# Altium PCB UltraZohm_Analog_Adapter_MAX11331.PcbDoc (part 2 of 2)
Units mm, origin at the board's own origin, x right, y up, seen from the top; angles counter-clockwise.
Board outline 100 x 100 mm, 4 copper layers (Top Layer, GND, VCC, Bottom Layer), stack 1.587 mm thick; 116 components, 143 nets, 539 pads, 190 vias.
Unrouted connection lines stored in the file: 122.
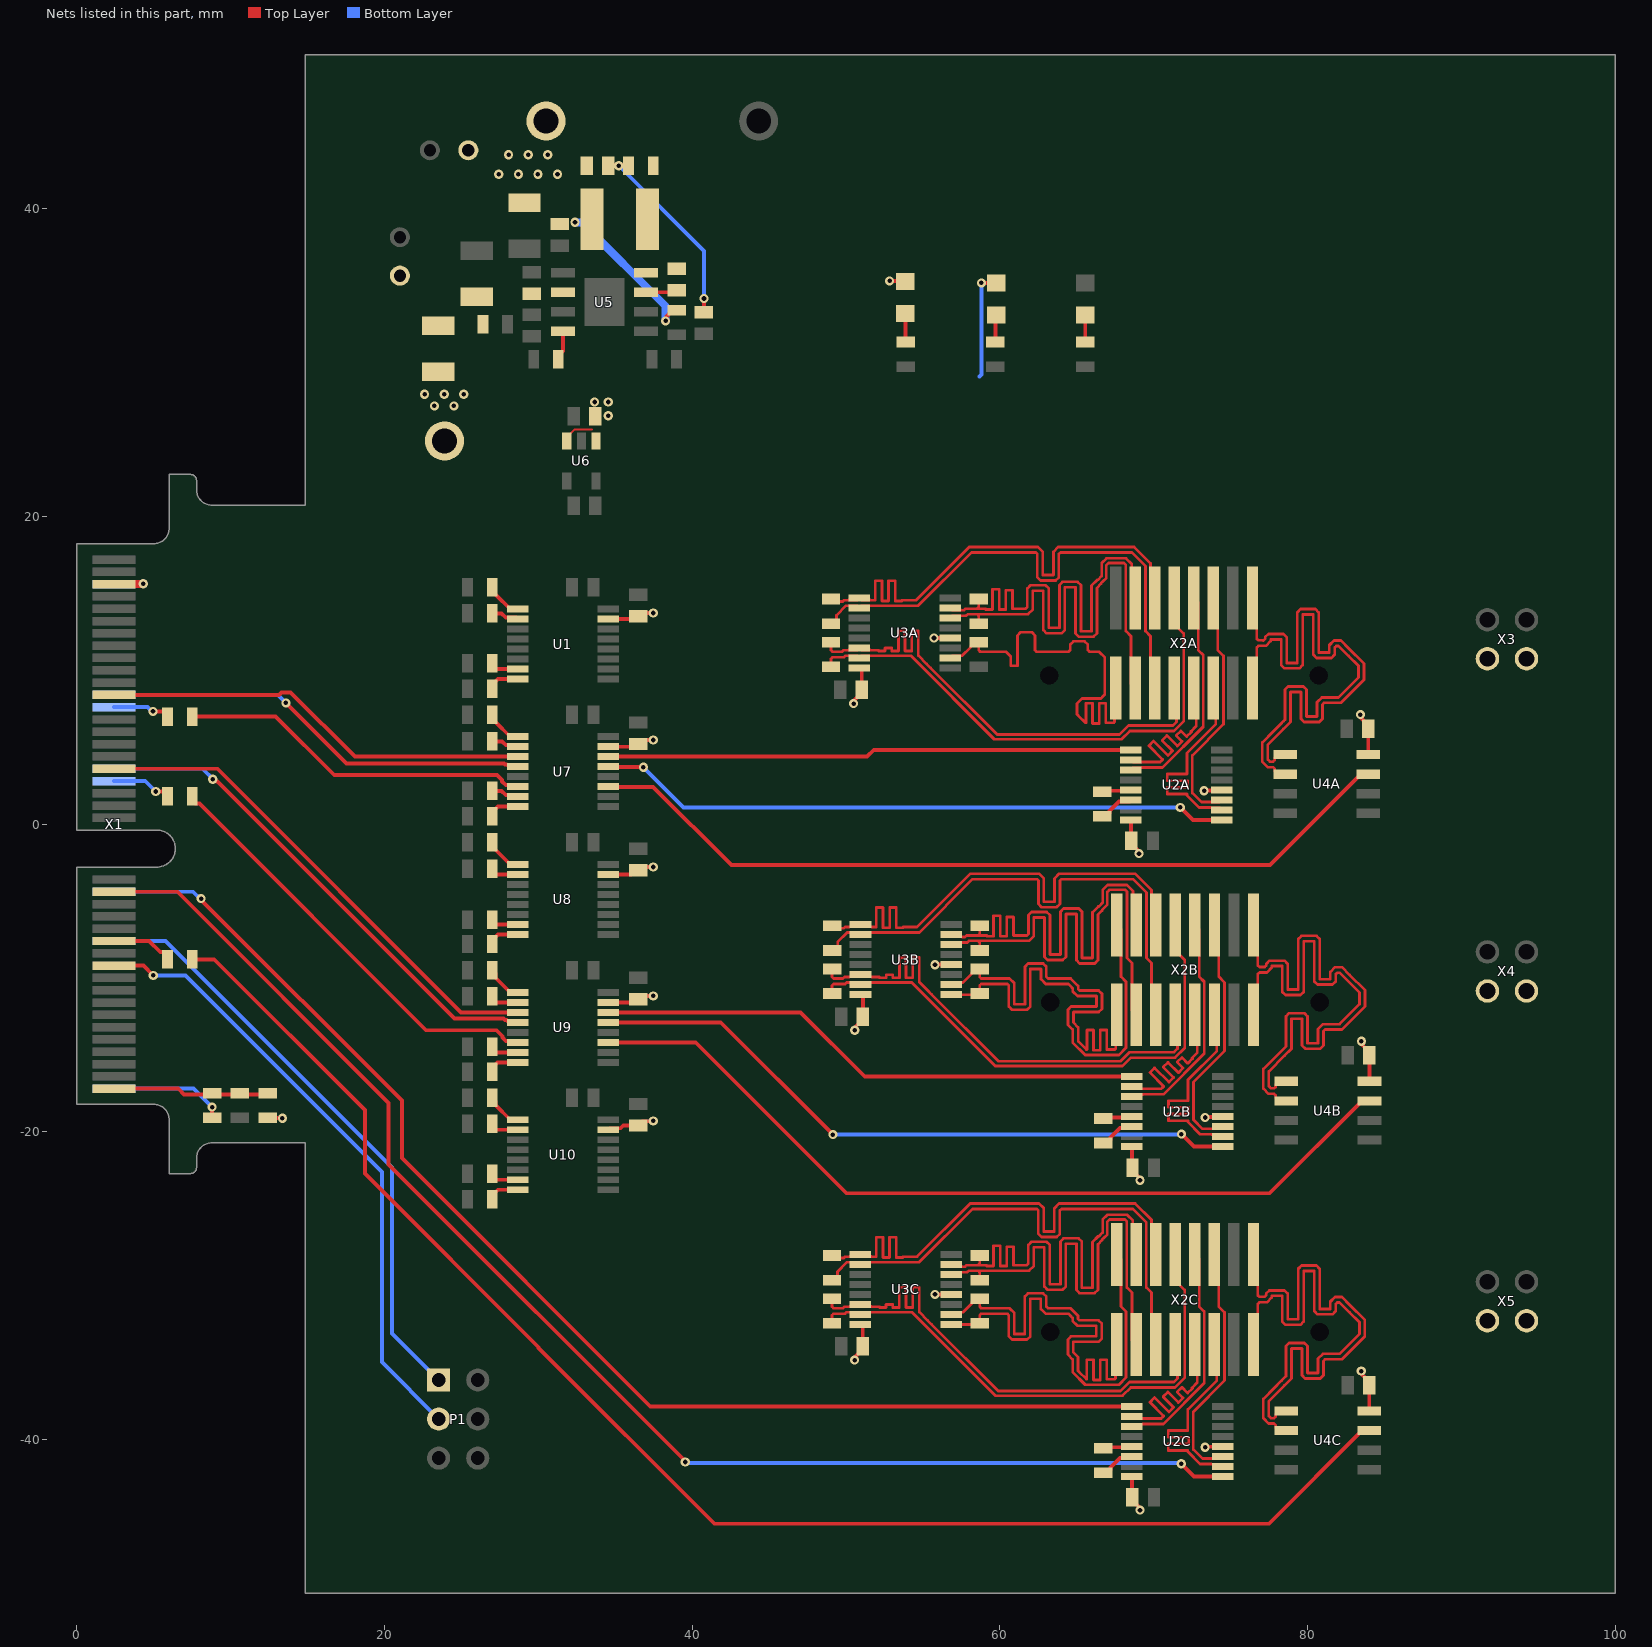
[diagram p4: the nets of this part, all layers, seen from the top]

## Via types
v1: diameter 0.6, hole 0.3, Top Layer to Bottom Layer, tented both sides, 184 vias
v2: diameter 0.5, hole 0.2, Top Layer to Bottom Layer, tented both sides, 6 vias

## Nets (pads, with @x,y where several pads share a name; then routed paths per layer and width w, separated by ;. In a path a pad name is that pad's centre, name@x,y a point inside that pad or via, vN(x,y) a via of type N, cw(c..) or ccw(c..) an arc to the next point about the centre after c; other vN are vias at no path point) (continued)
MISOAA_P: R21A.2 U3A.2 X2A.1 | length 31.3
  Top Layer w0.178: U3A.2@56.774,10.794 56.91,10.93 57.527,10.93 58.113,11.517 58.113,11.558 58.374,11.819 R21A.2@58.624,11.819 58.624,11.301 58.728,11.197 59.273,11.197 60.4,11.197 60.713,10.884 60.713,10.282 61.145,10.282 61.145,12.258 61.353,12.467 62.079,12.467 62.288,12.258 62.288,11.301 62.392,11.197 63.754,11.197 64.282,11.197 64.475,11.197 64.58,11.301 64.58,11.665 64.788,11.873 65.514,11.873 65.723,11.665 65.723,11.301 65.827,11.197 66.446,11.197 66.827,10.815 66.827,8.413 66.777,8.362 ; 66.723,8.308 66.568,8.153 65.354,8.153 65.024,7.823 65.024,7.117 65.078,7.063 65.558,6.583 65.595,6.583 65.595,7.853 66.027,7.853 66.027,6.528 66.459,6.528 66.459,7.853 66.89,7.853 66.89,6.583 67.411,6.583 67.46,6.632 67.46,8.767 X2A.1@67.533,8.839
MISOAB_N: R21B.1 U3B.1 X2B.2 | length 32.4
  Top Layer w0.178: U3B.1@56.842,-11.095 58.617,-11.095 R21B.1@58.692,-11.02 58.692,-10.502 58.796,-10.398 59.25,-10.398 60.484,-10.398 60.588,-10.502 60.588,-11.866 60.797,-12.075 61.777,-12.075 61.985,-11.866 61.985,-9.427 62.671,-9.427 62.671,-10.086 62.984,-10.398 63.822,-10.398 64.457,-10.398 64.589,-10.53 64.736,-10.678 64.736,-10.871 65.049,-11.183 66.28,-11.183 66.28,-11.869 64.638,-11.869 64.43,-12.077 64.43,-13.058 64.736,-13.364 64.736,-13.873 64.736,-14.198 65.555,-15.016 67.739,-15.016 68.21,-14.545 68.21,-10.255 67.88,-9.925 67.88,-6.837 X2B.2@67.601,-6.558
MISOAB_P: R21B.2 U3B.2 X2B.1 | length 32.6
  Top Layer w0.178: U3B.2@56.842,-10.445 56.978,-10.309 57.594,-10.309 58.181,-9.723 58.181,-9.682 58.442,-9.42 R21B.2@58.692,-9.42 58.692,-9.938 58.796,-10.043 59.25,-10.043 ; X2B.1@67.601,-12.4 67.528,-12.473 67.528,-14.607 67.479,-14.656 66.958,-14.656 66.958,-13.386 66.526,-13.386 66.526,-14.711 66.095,-14.711 66.095,-13.386 65.663,-13.386 65.663,-14.656 65.626,-14.656 65.146,-14.176 65.092,-14.122 65.092,-13.873 65.092,-13.217 64.785,-12.91 64.785,-12.225 66.427,-12.225 66.636,-12.016 66.636,-11.036 66.427,-10.828 65.196,-10.828 65.092,-10.723 65.092,-10.53 64.604,-10.043 63.822,-10.043 63.131,-10.043 63.027,-9.938 63.027,-9.28 62.819,-9.071 61.838,-9.071 61.63,-9.28 61.63,-11.719 60.944,-11.719 60.944,-10.355 60.632,-10.043 ; 59.25,-10.043 60.632,-10.043 ; 59.25,-10.043 60.632,-10.043
MISOAC_N: R21C.1 U3C.1 X2C.2 | length 32.4
  Top Layer w0.178: U3C.1@56.839,-32.533 58.614,-32.533 R21C.1@58.689,-32.458 58.689,-31.94 58.793,-31.836 59.246,-31.836 60.481,-31.836 60.585,-31.94 60.585,-33.304 60.793,-33.512 61.774,-33.512 61.982,-33.304 61.982,-30.865 62.668,-30.865 62.668,-31.523 62.98,-31.836 63.818,-31.836 64.453,-31.836 64.585,-31.968 64.733,-32.115 64.733,-32.308 65.045,-32.621 66.277,-32.621 66.277,-33.307 64.635,-33.307 64.426,-33.515 64.426,-34.495 64.733,-34.802 64.733,-35.311 64.733,-35.635 65.552,-36.454 67.735,-36.454 68.207,-35.982 68.207,-31.693 67.877,-31.363 67.877,-28.275 X2C.2@67.597,-27.996
MISOAC_P: R21C.2 U3C.2 X2C.1 | length 32.6
  Top Layer w0.178: U3C.2@56.839,-31.883 56.975,-31.747 57.591,-31.747 58.178,-31.16 58.178,-31.119 58.439,-30.858 R21C.2@58.689,-30.858 58.689,-31.376 58.793,-31.48 59.246,-31.48 ; X2C.1@67.597,-33.838 67.525,-33.91 67.525,-36.045 67.475,-36.094 66.955,-36.094 66.955,-34.824 66.523,-34.824 66.523,-36.149 66.091,-36.149 66.091,-34.824 65.659,-34.824 65.659,-36.094 65.623,-36.094 65.142,-35.614 65.088,-35.56 65.088,-35.311 65.088,-34.655 64.782,-34.348 64.782,-33.662 66.424,-33.662 66.632,-33.454 66.632,-32.474 66.424,-32.265 65.193,-32.265 65.088,-32.161 65.088,-31.968 64.601,-31.48 63.818,-31.48 63.128,-31.48 63.023,-31.376 63.023,-30.717 62.815,-30.509 61.835,-30.509 61.626,-30.717 61.626,-33.157 60.941,-33.157 60.941,-31.793 60.628,-31.48 ; 59.246,-31.48 60.628,-31.48 ; 59.246,-31.48 60.628,-31.48
MISOBA_N: R22A.1 U3A.7 X2A.4 | length 34.3
  Top Layer w0.178: U3A.7@56.774,14.044 56.91,13.908 57.478,13.908 57.49,13.897 57.672,13.897 57.772,13.997 58.52,13.997 ; R22A.1@58.624,14.619 58.624,14.101 58.52,13.997 ; X2A.4@68.803,14.681 68.583,14.902 68.583,16.889 68.199,17.272 66.938,17.272 66.619,16.952 66.619,16.123 66.614,16.118 66.371,15.875 66.335,15.875 65.956,15.496 65.956,12.533 65.27,12.533 65.27,15.534 65.062,15.742 64.081,15.742 63.873,15.534 63.873,12.753 63.187,12.753 63.187,15.312 62.979,15.521 61.998,15.521 61.79,15.312 61.79,14.101 61.686,13.997 61.493,13.997 61.226,13.997 60.82,13.997 60.82,15.189 60.388,15.189 60.388,13.946 59.957,13.946 59.957,15.267 59.525,15.267 59.525,13.946 59.093,13.946 59.093,13.997 58.572,13.997 58.52,13.997
MISOBA_P: R22A.2 U3A.6 X2A.3 | length 34.7
  Top Layer w0.178: U3A.6@56.774,13.394 56.91,13.53 57.478,13.53 57.49,13.541 57.819,13.541 57.919,13.641 58.52,13.641 ; R22A.2@58.624,13.019 58.624,13.537 58.52,13.641 ; X2A.3@68.803,8.839 68.524,9.119 68.524,12.207 68.193,12.537 68.193,16.847 68.073,16.967 67.065,16.967 66.923,16.826 66.923,15.996 66.675,15.748 66.586,15.659 66.586,15.623 66.311,15.348 66.311,12.386 66.103,12.178 65.123,12.178 64.914,12.386 64.914,15.386 64.229,15.386 64.229,12.606 64.02,12.398 63.04,12.398 62.832,12.606 62.832,15.165 62.146,15.165 62.146,13.954 61.833,13.641 61.493,13.641 58.52,13.641
MISOBB_N: R22B.1 U3B.7 X2B.4 | length 34.3
  Top Layer w0.178: U3B.7@56.842,-7.195 56.978,-7.332 57.546,-7.332 57.557,-7.343 57.74,-7.343 57.84,-7.243 58.588,-7.243 ; R22B.1@58.692,-6.62 58.692,-7.138 58.588,-7.243 ; X2B.4@68.871,-6.558 68.651,-6.338 68.651,-4.351 68.267,-3.967 67.006,-3.967 66.686,-4.287 66.686,-5.117 66.681,-5.122 66.438,-5.365 66.402,-5.365 66.024,-5.744 66.024,-8.706 65.338,-8.706 65.338,-5.706 65.129,-5.497 64.149,-5.497 63.941,-5.706 63.941,-8.486 63.255,-8.486 63.255,-5.927 63.047,-5.719 62.066,-5.719 61.858,-5.927 61.858,-7.138 61.754,-7.243 61.561,-7.243 61.294,-7.243 60.888,-7.243 60.888,-6.05 60.456,-6.05 60.456,-7.293 60.024,-7.293 60.024,-5.973 59.593,-5.973 59.593,-7.293 59.161,-7.293 59.161,-7.243 58.64,-7.243 58.588,-7.243
MISOBB_P: R22B.2 U3B.6 X2B.3 | length 34.7
  Top Layer w0.178: U3B.6@56.842,-7.845 56.978,-7.709 57.546,-7.709 57.557,-7.698 57.887,-7.698 57.987,-7.598 58.588,-7.598 ; R22B.2@58.692,-8.22 58.692,-7.702 58.588,-7.598 ; X2B.3@68.871,-12.4 68.591,-12.12 68.591,-9.033 68.261,-8.703 68.261,-4.392 68.141,-4.272 67.133,-4.272 66.991,-4.413 66.991,-5.243 66.743,-5.491 66.654,-5.58 66.654,-5.616 66.379,-5.891 66.379,-8.853 66.171,-9.062 65.19,-9.062 64.982,-8.853 64.982,-5.853 64.296,-5.853 64.296,-8.633 64.088,-8.842 63.108,-8.842 62.899,-8.633 62.899,-6.074 62.214,-6.074 62.214,-7.286 61.901,-7.598 61.561,-7.598 58.588,-7.598
MISOBC_N: R22C.1 U3C.7 X2C.4 | length 34.3
  Top Layer w0.178: U3C.7@56.839,-28.633 56.975,-28.769 57.543,-28.769 57.554,-28.78 57.736,-28.78 57.836,-28.68 58.585,-28.68 ; R22C.1@58.689,-28.058 58.689,-28.576 58.585,-28.68 ; X2C.4@68.867,-27.996 68.647,-27.775 68.647,-25.788 68.264,-25.405 67.003,-25.405 66.683,-25.725 66.683,-26.554 66.678,-26.559 66.435,-26.802 66.399,-26.802 66.02,-27.181 66.02,-30.144 65.334,-30.144 65.334,-27.143 65.126,-26.935 64.146,-26.935 63.937,-27.143 63.937,-29.924 63.252,-29.924 63.252,-27.365 63.043,-27.156 62.063,-27.156 61.855,-27.365 61.855,-28.576 61.75,-28.68 61.557,-28.68 61.291,-28.68 60.885,-28.68 60.885,-27.488 60.453,-27.488 60.453,-28.731 60.021,-28.731 60.021,-27.41 59.589,-27.41 59.589,-28.731 59.157,-28.731 59.157,-28.68 58.637,-28.68 58.585,-28.68
MISOBC_P: R22C.2 U3C.6 X2C.3 | length 34.7
  Top Layer w0.178: U3C.6@56.839,-29.283 56.975,-29.147 57.543,-29.147 57.554,-29.136 57.884,-29.136 57.984,-29.036 58.585,-29.036 ; R22C.2@58.689,-29.658 58.689,-29.14 58.585,-29.036 ; X2C.3@68.867,-33.838 68.588,-33.558 68.588,-30.47 68.258,-30.14 68.258,-25.83 68.137,-25.71 67.129,-25.71 66.988,-25.851 66.988,-26.681 66.739,-26.929 66.65,-27.018 66.65,-27.054 66.376,-27.329 66.376,-30.291 66.167,-30.499 65.187,-30.499 64.979,-30.291 64.979,-27.291 64.293,-27.291 64.293,-30.071 64.085,-30.279 63.104,-30.279 62.896,-30.071 62.896,-27.512 62.21,-27.512 62.21,-28.723 61.898,-29.036 61.557,-29.036 58.585,-29.036
MISOCA_N: R23A.1 U3A.9 X2A.6 | length 33.8
  Top Layer w0.178: R23A.1@49.024,14.619 49.174,14.469 49.787,14.469 49.864,14.547 50.159,14.547 50.17,14.558 50.738,14.558 U3A.9@50.874,14.694 51.01,14.558 51.578,14.558 51.59,14.547 51.816,14.547 51.905,14.547 51.905,15.817 52.337,15.817 52.337,14.496 52.769,14.496 52.769,15.817 53.2,15.817 53.2,14.496 53.632,14.496 53.632,14.547 53.774,14.547 54.081,14.547 54.552,14.547 58.014,18.009 60.706,18.009 62.484,18.009 62.796,17.696 62.796,16.181 63.482,16.181 63.482,17.696 63.795,18.009 64.135,18.009 68.733,18.009 69.794,16.948 69.794,14.961 X2A.6@70.073,14.681
MISOCA_P: R23A.2 U3A.10 X2A.5 | length 34.5
  Top Layer w0.178: R23A.2@49.024,13.019 49.127,13.019 49.388,13.28 49.388,13.567 50.012,14.191 50.159,14.191 50.17,14.18 50.738,14.18 U3A.10@50.874,14.044 51.01,14.18 51.578,14.18 51.59,14.191 54.699,14.191 58.161,17.653 60.706,17.653 62.337,17.653 62.441,17.549 62.441,16.034 62.649,15.825 63.629,15.825 63.838,16.034 63.838,17.549 63.942,17.653 64.135,17.653 68.586,17.653 69.463,16.775 69.463,12.537 69.794,12.207 69.794,9.119 X2A.5@70.073,8.839
MISOCB_N: R23B.1 U3B.9 X2B.6 | length 33.8
  Top Layer w0.178: R23B.1@49.092,-6.62 49.242,-6.77 49.855,-6.77 49.932,-6.693 50.227,-6.693 50.238,-6.682 50.806,-6.682 U3B.9@50.942,-6.545 51.078,-6.682 51.646,-6.682 51.657,-6.693 51.884,-6.693 51.973,-6.693 51.973,-5.423 52.405,-5.423 52.405,-6.743 52.836,-6.743 52.836,-5.423 53.268,-5.423 53.268,-6.743 53.7,-6.743 53.7,-6.693 53.842,-6.693 54.149,-6.693 54.619,-6.693 58.081,-3.231 60.774,-3.231 62.552,-3.231 62.864,-3.543 62.864,-5.058 63.55,-5.058 63.55,-3.543 63.862,-3.231 64.203,-3.231 68.801,-3.231 69.861,-4.291 69.861,-6.278 X2B.6@70.141,-6.558
MISOCB_P: R23B.2 U3B.10 X2B.5 | length 34.5
  Top Layer w0.178: R23B.2@49.092,-8.22 49.195,-8.22 49.456,-7.959 49.456,-7.672 50.08,-7.048 50.227,-7.048 50.238,-7.059 50.806,-7.059 U3B.10@50.942,-7.195 51.078,-7.059 51.646,-7.059 51.657,-7.048 54.767,-7.048 58.229,-3.586 60.774,-3.586 62.404,-3.586 62.509,-3.69 62.509,-5.206 62.717,-5.414 63.697,-5.414 63.906,-5.206 63.906,-3.69 64.01,-3.586 64.203,-3.586 68.653,-3.586 69.531,-4.464 69.531,-8.703 69.861,-9.033 69.861,-12.12 X2B.5@70.141,-12.4
MISOCC_N: R23C.1 U3C.9 X2C.6 | length 33.8
  Top Layer w0.178: R23C.1@49.089,-28.058 49.239,-28.208 49.851,-28.208 49.929,-28.13 50.223,-28.13 50.235,-28.119 50.803,-28.119 U3C.9@50.939,-27.983 51.075,-28.119 51.643,-28.119 51.654,-28.13 51.88,-28.13 51.969,-28.13 51.969,-26.86 52.401,-26.86 52.401,-28.181 52.833,-28.181 52.833,-26.86 53.265,-26.86 53.265,-28.181 53.696,-28.181 53.696,-28.13 53.838,-28.13 54.145,-28.13 54.616,-28.13 58.078,-24.668 60.77,-24.668 62.548,-24.668 62.861,-24.981 62.861,-26.496 63.547,-26.496 63.547,-24.981 63.859,-24.668 64.199,-24.668 68.797,-24.668 69.858,-25.729 69.858,-27.716 X2C.6@70.137,-27.996
MISOCC_P: R23C.2 U3C.10 X2C.5 | length 34.5
  Top Layer w0.178: R23C.2@49.089,-29.658 49.191,-29.658 49.452,-29.397 49.452,-29.11 50.076,-28.486 50.223,-28.486 50.235,-28.497 50.803,-28.497 U3C.10@50.939,-28.633 51.075,-28.497 51.643,-28.497 51.654,-28.486 54.763,-28.486 58.225,-25.024 60.77,-25.024 62.401,-25.024 62.505,-25.128 62.505,-26.643 62.713,-26.852 63.694,-26.852 63.902,-26.643 63.902,-25.128 64.006,-25.024 64.199,-25.024 68.65,-25.024 69.528,-25.902 69.528,-30.14 69.858,-30.47 69.858,-33.558 X2C.5@70.137,-33.838
MISODA_N: R24A.1 U3A.15 X2A.8 | length 34.6
  Top Layer w0.178: R24A.1@49.024,10.219 49.024,10.737 49.128,10.841 49.877,10.841 49.977,10.941 50.159,10.941 50.17,10.93 50.738,10.93 U3A.15@50.874,10.794 51.01,10.93 51.578,10.93 51.59,10.941 54.208,10.941 59.637,5.512 67.914,5.512 68.453,6.051 71.329,6.051 71.953,6.675 71.953,12.395 71.343,13.005 X2A.8@71.343,14.681
MISODA_P: R24A.2 U3A.14 X2A.7 | length 33.9
  Top Layer w0.178: R24A.2@49.024,11.819 49.024,11.301 49.128,11.197 49.729,11.197 49.829,11.297 50.159,11.297 50.17,11.308 50.738,11.308 U3A.14@50.874,11.444 51.01,11.308 51.578,11.308 51.59,11.297 52.11,11.297 52.11,11.246 52.542,11.246 52.542,11.444 52.974,11.444 52.974,11.246 53.406,11.246 53.406,12.567 53.837,12.567 53.837,11.246 54.269,11.246 54.269,12.567 54.701,12.567 54.701,10.951 55.245,10.407 55.499,10.153 59.835,5.817 67.788,5.817 68.378,6.407 71.254,6.407 71.479,6.632 71.479,8.703 X2A.7@71.343,8.839
MISODB_N: R24B.1 U3B.15 X2B.8 | length 34.6
  Top Layer w0.178: R24B.1@49.092,-11.02 49.092,-10.502 49.196,-10.398 49.944,-10.398 50.044,-10.298 50.227,-10.298 50.238,-10.309 50.806,-10.309 U3B.15@50.942,-10.445 51.078,-10.309 51.646,-10.309 51.657,-10.298 54.276,-10.298 59.705,-15.727 67.982,-15.727 68.521,-15.188 71.397,-15.188 72.02,-14.565 72.02,-8.844 71.411,-8.234 X2B.8@71.411,-6.558
MISODB_P: R24B.2 U3B.14 X2B.7 | length 33.9
  Top Layer w0.178: R24B.2@49.092,-9.42 49.092,-9.938 49.196,-10.043 49.797,-10.043 49.897,-9.943 50.227,-9.943 50.238,-9.932 50.806,-9.932 U3B.14@50.942,-9.795 51.078,-9.932 51.646,-9.932 51.657,-9.943 52.178,-9.943 52.178,-9.993 52.61,-9.993 52.61,-9.795 53.042,-9.795 53.042,-9.993 53.473,-9.993 53.473,-8.673 53.905,-8.673 53.905,-9.993 54.337,-9.993 54.337,-8.673 54.769,-8.673 54.769,-10.288 55.313,-10.832 55.567,-11.086 59.903,-15.422 67.856,-15.422 68.445,-14.833 71.321,-14.833 71.547,-14.607 71.547,-12.536 X2B.7@71.411,-12.4
MISODC_N: R24C.1 U3C.15 X2C.8 | length 34.6
  Top Layer w0.178: R24C.1@49.089,-32.458 49.089,-31.94 49.193,-31.836 49.941,-31.836 50.041,-31.736 50.223,-31.736 50.235,-31.747 50.803,-31.747 U3C.15@50.939,-31.883 51.075,-31.747 51.643,-31.747 51.654,-31.736 54.272,-31.736 59.701,-37.165 67.978,-37.165 68.517,-36.626 71.393,-36.626 72.017,-36.002 72.017,-30.282 71.407,-29.672 X2C.8@71.407,-27.996
MISODC_P: R24C.2 U3C.14 X2C.7 | length 33.9
  Top Layer w0.178: R24C.2@49.089,-30.858 49.089,-31.376 49.193,-31.48 49.794,-31.48 49.894,-31.38 50.223,-31.38 50.235,-31.369 50.803,-31.369 U3C.14@50.939,-31.233 51.075,-31.369 51.643,-31.369 51.654,-31.38 52.175,-31.38 52.175,-31.431 52.606,-31.431 52.606,-31.233 53.038,-31.233 53.038,-31.431 53.47,-31.431 53.47,-30.11 53.902,-30.11 53.902,-31.431 54.334,-31.431 54.334,-30.11 54.765,-30.11 54.765,-31.726 55.309,-32.27 55.563,-32.524 59.9,-36.86 67.852,-36.86 68.442,-36.27 71.318,-36.27 71.543,-36.045 71.543,-33.974 X2C.7@71.407,-33.838
MOSI1: U2A.1 U7.13 | length 41.3
  Top Layer w0.254: U7.13@34.55,3.725 34.571,3.704 36.809,3.704 v1(36.83,3.683) ; v1(71.735,1.081) 72.546,0.27 U2A.1@74.418,0.27
  Bottom Layer w0.254: v1(36.83,3.683) 39.432,1.081 v1(71.735,1.081)
MOSI1_i: U7.4 X1.24 | length 28.2
  Top Layer w0.254: v1(13.589,7.874) 17.526,3.937 27.768,3.937 27.834,3.871 27.928,3.871 27.976,3.823 28.552,3.823 U7.4@28.65,3.725
  Bottom Layer w0.254: X1.24@2.413,8.393 13.07,8.393 v1(13.589,7.874)
MOSI2: U2B.1 U9.13 | length 43.3
  Top Layer w0.254: U9.13@34.55,-12.9 41.856,-12.9 v1(49.149,-20.193) ; v1(71.803,-20.158) 72.614,-20.969 U2B.1@74.486,-20.969
  Bottom Layer w0.254: v1(49.149,-20.193) 49.167,-20.175 71.786,-20.175 v1(71.803,-20.158)
MOSI2_i: U9.4 X1.36 | length 33.1
  Top Layer w0.254: v1(8.839,2.912) 8.933,2.912 9.08,2.765 9.147,2.765 24.562,-12.649 27.729,-12.649 27.834,-12.754 27.928,-12.754 27.976,-12.802 28.552,-12.802 U9.4@28.65,-12.9
  Bottom Layer w0.254: X1.36@2.413,3.593 8.158,3.593 v1(8.839,2.912)
MOSI3: U2C.1 X1.47 | length 90.2
  Top Layer w0.254: X1.47@2.413,-4.407 6.54,-4.407 20.269,-18.135 20.269,-22.123 39.548,-41.402 v1(39.548,-41.478) ; v1(71.8,-41.596) 72.611,-42.407 U2C.1@74.482,-42.407
  Bottom Layer w0.254: v1(39.548,-41.478) 39.607,-41.537 71.741,-41.537 v1(71.8,-41.596)
MOSIA_N: U2A.3 X2A.12 | length 16
  Top Layer w0.178: X2A.12@73.883,14.681 74.162,14.402 74.162,11.314 74.543,10.933 74.543,6.492 72.517,4.465 72.517,2.012 73.106,1.423 73.703,1.423 73.714,1.434 74.282,1.434 U2A.3@74.418,1.57
MOSIA_P: U2A.2 X2A.11 | length 15.6
  Top Layer w0.178: X2A.11@73.883,8.839 74.041,8.681 74.041,6.492 72.161,4.612 72.161,3.556 72.161,3.249 70.891,3.249 70.891,2.817 72.212,2.817 72.212,2.385 70.891,2.385 70.891,1.953 72.161,1.953 72.161,1.865 72.958,1.068 73.703,1.068 73.714,1.057 74.282,1.057 U2A.2@74.418,0.92
MOSIB_N: U2B.3 X2B.12 | length 16
  Top Layer w0.178: X2B.12@73.951,-6.558 74.23,-6.837 74.23,-9.925 74.611,-10.306 74.611,-14.748 72.585,-16.774 72.585,-19.227 73.173,-19.816 73.771,-19.816 73.782,-19.805 74.35,-19.805 U2B.3@74.486,-19.669
MOSIB_P: U2B.2 X2B.11 | length 15.6
  Top Layer w0.178: X2B.11@73.951,-12.4 74.109,-12.558 74.109,-14.747 72.229,-16.627 72.229,-17.683 72.229,-17.99 70.959,-17.99 70.959,-18.422 72.28,-18.422 72.28,-18.854 70.959,-18.854 70.959,-19.286 72.229,-19.286 72.229,-19.375 73.026,-20.172 73.771,-20.172 73.782,-20.183 74.35,-20.183 U2B.2@74.486,-20.319
MOSIC_N: U2C.3 X2C.12 | length 16
  Top Layer w0.178: X2C.12@73.947,-27.996 74.227,-28.275 74.227,-31.363 74.608,-31.744 74.608,-36.185 72.581,-38.212 72.581,-40.665 73.17,-41.254 73.767,-41.254 73.778,-41.243 74.346,-41.243 U2C.3@74.482,-41.107
MOSIC_P: U2C.2 X2C.11 | length 15.6
  Top Layer w0.178: X2C.11@73.947,-33.838 74.105,-33.996 74.105,-36.185 72.226,-38.065 72.226,-39.121 72.226,-39.428 70.956,-39.428 70.956,-39.86 72.277,-39.86 72.277,-40.292 70.956,-40.292 70.956,-40.724 72.226,-40.724 72.226,-40.812 73.023,-41.609 73.767,-41.609 73.778,-41.62 74.346,-41.62 U2C.2@74.482,-41.757
NetC6_2: C6.2 U5.7 | length 2.1
  Top Layer w0.254: U5.7@37,34.57 38.87,34.57 C6.2@39,34.7
NetC7_2: C7.2 C15.1 R27.1 | length 13.1
  Top Layer w0.254: C7.2@34.544,42.799 v1(35.225,42.799) R27.1@35.865,42.799 ; C15.1@40.767,33.274 v1(40.767,34.163)
  Bottom Layer w0.254: v1(35.225,42.799) 40.767,37.257 v1(40.767,34.163)
NetD1_2: D1.2 R30.1 | length 1.9
  Top Layer w0.254: D1.2@53.856,33.177 53.87,33.163 R30.1@53.87,31.327
NetD2_2: D2.2 R38.1 | length 1.8
  Top Layer w0.254: R38.1@59.712,31.327 59.712,33.033 D2.2@59.756,33.077
NetD3_2: D3.2 R39.1 | length 1.8
  Top Layer w0.254: R39.1@65.554,31.327 D3.2@65.556,33.077 D3.2@65.556,33.077
NetR1_1: R1.1 R2.2 R3.1 X1.79 | length 10.2
  Top Layer w0.254: X1.79@2.413,-17.207 6.59,-17.207 6.96,-17.577 12.323,-17.577 R1.1@12.4,-17.5
NetR2_1: R2.1 X1.80 | length 7.6
  Top Layer w0.254: v1(8.788,-18.404) 8.788,-19.088 R2.1@8.8,-19.1
  Bottom Layer w0.254: X1.80@2.413,-17.207 7.591,-17.207 v1(8.788,-18.404)
NetR4_2: R4.2 U1.1 | length 2.4
  Top Layer w0.254: R4.2@27,15.4 27,15.15 27.223,14.927 28.175,13.975 U1.1@28.65,13.975
NetR5_2: R5.2 U1.2 | length 1.8
  Top Layer w0.254: R5.2@27,13.694 27.611,13.694 27.882,13.423 28.552,13.423 U1.2@28.65,13.325
NetR6_2: R6.2 U1.7 | length 1.9
  Top Layer w0.254: R6.2@27,10.45 27,10.298 27.223,10.075 U1.7@28.65,10.075
NetR7_2: R7.2 U1.8 | length 2.1
  Top Layer w0.254: R7.2@27,8.8 27,9.05 27.375,9.425 U1.8@28.65,9.425
NetR8_1: R8.1 U7.6 | length 23.1
  Top Layer w0.254: R8.1@7.493,6.985 12.923,6.985 16.733,3.175 27.32,3.175 27.629,2.866 27.629,2.775 27.882,2.523 28.552,2.523 U7.6@28.65,2.425
NetR9_1: R9.1 U9.6 | length 28
  Top Layer w0.254: R9.1@7.493,1.8 7.493,1.55 7.716,1.327 7.966,1.327 22.704,-13.411 27.281,-13.411 27.671,-13.8 27.671,-13.891 27.882,-14.102 28.552,-14.102 U9.6@28.65,-14.2
NetR10_2: R10.2 U7.1 | length 2.4
  Top Layer w0.254: R10.2@27,7.1 27,6.85 27.223,6.627 28.175,5.675 U7.1@28.65,5.675
NetR11_2: R11.2 U7.2 | length 1.8
  Top Layer w0.254: R11.2@27,5.368 27.637,5.368 27.882,5.123 28.552,5.123 U7.2@28.65,5.025
NetR12_2: R12.2 U7.7 | length 1.8
  Top Layer w0.254: R12.2@27,2.15 27.605,2.15 27.882,1.873 28.552,1.873 U7.7@28.65,1.775
NetR13_2: R13.2 U7.8 | length 2.1
  Top Layer w0.254: R13.2@27,0.5 27,0.75 27.375,1.125 U7.8@28.65,1.125
NetR14_1: R14.1 X1.55 | length 4.1
  Top Layer w0.254: X1.55@2.413,-7.607 4.7,-7.607 5.42,-8.327 5.67,-8.327 5.893,-8.55 R14.1@5.893,-8.8
NetR15_2: R15.2 U8.1 | length 2.4
  Top Layer w0.254: R15.2@27,-1.2 27,-1.45 27.223,-1.673 28.175,-2.625 U8.1@28.65,-2.625
NetR16_2: R16.2 U8.2 | length 1.9
  Top Layer w0.254: R16.2@27,-2.9 27,-3.052 27.223,-3.275 U8.2@28.65,-3.275
NetR17_2: R17.2 U8.7 | length 1.9
  Top Layer w0.254: R17.2@27,-6.15 27,-6.302 27.223,-6.525 U8.7@28.65,-6.525
NetR18_2: R18.2 U8.8 | length 2.1
  Top Layer w0.254: R18.2@27,-7.8 27,-7.55 27.375,-7.175 U8.8@28.65,-7.175
NetR19_2: R19.2 U9.1 | length 2.4
  Top Layer w0.254: R19.2@27,-9.5 27.223,-9.723 27.223,-9.998 28.175,-10.95 U9.1@28.65,-10.95
NetR20_2: R20.2 U9.2 | length 1.9
  Top Layer w0.254: R20.2@27,-11.2 27,-11.377 27.223,-11.6 U9.2@28.65,-11.6
NetR28_2: R28.2 U5.4 | length 2
  Top Layer w0.254: R28.2@31.3,30.2 31.3,30.45 31.6,30.75 U5.4@31.6,32.03
NetR31_2: R31.2 U9.7 | length 1.9
  Top Layer w0.254: R31.2@27,-14.475 27,-14.627 27.223,-14.85 U9.7@28.65,-14.85
NetR32_2: R32.2 U9.8 | length 2
  Top Layer w0.254: R32.2@27,-16.1 27,-15.85 27.35,-15.5 U9.8@28.65,-15.5
NetR33_2: R33.2 U10.1 | length 2.4
  Top Layer w0.254: R33.2@27,-17.8 27.223,-18.023 27.223,-18.273 28.175,-19.225 U10.1@28.65,-19.225
NetR34_2: R34.2 U10.2 | length 1.9
  Top Layer w0.254: R34.2@27,-19.5 27,-19.652 27.223,-19.875 U10.2@28.65,-19.875
NetR35_2: R35.2 U10.7 | length 1.9
  Top Layer w0.254: R35.2@27,-22.75 27,-22.902 27.223,-23.125 U10.7@28.65,-23.125
NetR36_2: R36.2 U10.8 | length 2.1
  Top Layer w0.254: R36.2@27,-24.4 27,-24.15 27.375,-23.775 U10.8@28.65,-23.775
NetR37A_1: R37A.1 U2A.14 | length 2.4
  Top Layer w0.254: R37A.1@66.653,0.498 66.903,0.498 67.126,0.721 67.126,0.849 67.75,1.472 68.42,1.472 U2A.14@68.518,1.57
NetR37A_2: R37A.2 U2A.13 | length 1.9
  Top Layer w0.254: R37A.2@66.653,2.098 66.714,2.159 68.457,2.159 U2A.13@68.518,2.22
NetR37B_1: R37B.1 U2B.14 | length 2.4
  Top Layer w0.254: R37B.1@66.721,-20.741 66.971,-20.741 67.194,-20.518 67.194,-20.391 67.818,-19.767 68.488,-19.767 U2B.14@68.586,-19.669
NetR37B_2: R37B.2 U2B.13 | length 1.9
  Top Layer w0.254: R37B.2@66.721,-19.141 66.782,-19.08 68.525,-19.08 U2B.13@68.586,-19.019
NetR37C_1: R37C.1 U2C.14 | length 2.4
  Top Layer w0.254: R37C.1@66.717,-42.179 66.967,-42.179 67.19,-41.956 67.19,-41.828 67.814,-41.205 68.484,-41.205 U2C.14@68.582,-41.107
NetR37C_2: R37C.2 U2C.13 | length 1.9
  Top Layer w0.254: R37C.2@66.717,-40.579 66.778,-40.518 68.521,-40.518 U2C.13@68.582,-40.457
PS_ANL_GPIO_01: P1.1 X1.56 | length 39.2
  Bottom Layer w0.254: X1.56@2.413,-7.607 5.753,-7.607 20.489,-22.344 20.489,-33.113 P1.1@23.52,-36.144
PS_ANL_GPIO_02: P1.3 X1.59 | length 40.6
  Top Layer w0.254: X1.59@2.413,-9.207 4.326,-9.207 v1(4.963,-9.843)
  Bottom Layer w0.254: v1(4.963,-9.843) 7.049,-9.843 19.825,-22.619 19.825,-34.989 P1.3@23.52,-38.684
SCLK1: U2A.9 U7.14 | length 34.2
  Top Layer w0.254: U7.14@34.55,4.375 51.36,4.375 51.806,4.82 U2A.9@68.518,4.82
SCLK1_i: U7.3 X1.23 | length 28
  Top Layer w0.254: X1.23@2.413,8.393 13.145,8.393 13.307,8.555 13.899,8.555 18.079,4.375 U7.3@28.65,4.375
SCLK2: U2B.9 U9.14 | length 35.8
  Top Layer w0.254: U9.14@34.55,-12.25 47.048,-12.25 51.217,-16.419 U2B.9@68.586,-16.419
SCLK2_i: U9.3 X1.35 | length 32.8
  Top Layer w0.254: X1.35@2.413,3.593 9.132,3.593 24.975,-12.25 U9.3@28.65,-12.25
SCLK3: U2C.9 X1.48 | length 82.3
  Top Layer w0.254: v1(8.077,-4.851) 8.077,-4.928 21.133,-17.983 21.133,-21.717 37.272,-37.857 U2C.9@68.582,-37.857
  Bottom Layer w0.254: X1.48@2.413,-4.407 7.559,-4.407 8.003,-4.851 v1(8.077,-4.851)
SCLKA_N: U2A.11 X2A.10 | length 14.5
  Top Layer w0.178: U2A.11@68.518,3.52 68.654,3.657 69.222,3.657 69.233,3.668 70.57,3.668 73.223,6.32 73.223,10.984 72.892,11.314 72.892,14.402 X2A.10@72.613,14.681
SCLKA_P: U2A.10 X2A.9 | length 13.5
  Top Layer w0.178: U2A.10@68.518,4.17 68.654,4.034 69.222,4.034 69.233,4.023 70.423,4.023 70.524,4.124 70.587,4.187 69.689,5.085 69.994,5.39 70.928,4.456 71.233,4.762 70.554,5.441 70.859,5.746 71.539,5.067 71.844,5.372 71.463,5.754 71.768,6.059 72.149,5.678 72.455,5.983 72.419,6.019 72.771,6.371 72.771,8.681 X2A.9@72.613,8.839
SCLKB_N: U2B.11 X2B.10 | length 14.5
  Top Layer w0.178: U2B.11@68.586,-17.719 68.722,-17.583 69.29,-17.583 69.301,-17.572 70.638,-17.572 73.29,-14.919 73.29,-10.255 72.96,-9.925 72.96,-6.837 X2B.10@72.681,-6.558
SCLKB_P: U2B.10 X2B.9 | length 13.5
  Top Layer w0.178: U2B.10@68.586,-17.069 68.722,-17.205 69.29,-17.205 69.301,-17.216 70.491,-17.216 70.592,-17.115 70.655,-17.052 69.757,-16.154 70.062,-15.849 70.996,-16.783 71.301,-16.478 70.622,-15.798 70.927,-15.493 71.606,-16.172 71.912,-15.867 71.53,-15.486 71.836,-15.18 72.217,-15.562 72.522,-15.256 72.487,-15.22 72.839,-14.868 72.839,-12.558 X2B.9@72.681,-12.4
SCLKC_N: U2C.11 X2C.10 | length 14.5
  Top Layer w0.178: U2C.11@68.582,-39.157 68.718,-39.02 69.287,-39.02 69.298,-39.009 70.635,-39.009 73.287,-36.357 73.287,-31.693 72.957,-31.363 72.957,-28.275 X2C.10@72.677,-27.996
SCLKC_P: U2C.10 X2C.9 | length 13.5
  Top Layer w0.178: U2C.10@68.582,-38.507 68.718,-38.643 69.287,-38.643 69.298,-38.654 70.487,-38.654 70.588,-38.553 70.651,-38.49 69.753,-37.592 70.058,-37.287 70.992,-38.221 71.298,-37.915 70.618,-37.236 70.924,-36.931 71.603,-37.61 71.908,-37.305 71.527,-36.923 71.832,-36.618 72.214,-36.999 72.519,-36.694 72.483,-36.658 72.835,-36.306 72.835,-33.996 X2C.9@72.677,-33.838
SCLKRTN1_i: R8.2 X1.26 | length 3.8
  Top Layer w0.254: v1(4.947,7.32) 5.67,7.32 5.893,7.097 R8.2@5.893,6.985
  Bottom Layer w0.254: X1.26@2.413,7.593 4.58,7.593 4.853,7.32 v1(4.947,7.32)
SCLKRTN2_i: R9.2 X1.38 | length 3.9
  Top Layer w0.254: v1(5.126,2.112) 5.67,2.112 5.893,1.889 R9.2@5.893,1.8
  Bottom Layer w0.254: X1.38@2.413,2.793 4.445,2.793 v1(5.126,2.112)
SCLKRTN3: R14.2 U4C.7 | length 96.4
  Top Layer w0.254: R14.2@7.493,-8.8 8.927,-8.8 18.72,-18.593 18.72,-22.716 30.019,-34.016 30.019,-34.056 41.455,-45.491 77.489,-45.491 83.543,-39.437 U4C.7@83.781,-39.437
SCLKRTNA: U4A.7 U7.11 | length 54
  Top Layer w0.254: U7.11@34.55,2.425 34.562,2.413 37.465,2.413 42.545,-2.667 77.572,-2.667 83.479,3.24 U4A.7@83.954,3.24
SCLKRTNA_N: U4A.1 X2A.16 | length 34.9
  Top Layer w0.178: X2A.16@76.423,14.681 76.702,14.402 76.702,12.042 76.807,11.938 76.954,11.938 77.101,11.938 77.104,11.935 77.147,11.935 77.251,12.04 77.251,12.148 77.459,12.356 78.44,12.356 78.648,12.148 78.648,10.474 79.334,10.474 79.334,13.762 79.542,13.97 80.523,13.97 80.731,13.762 80.731,11.155 81.417,11.155 81.417,11.618 81.729,11.931 82.171,11.931 82.677,11.425 83.668,10.434 83.668,9.378 82.164,7.874 82.017,7.874 81.079,7.874 80.975,7.77 80.975,6.841 80.767,6.633 79.787,6.633 79.578,6.841 79.578,8.586 78.892,8.586 78.892,6.629 78.448,6.185 77.422,5.159 77.422,4.19 77.559,4.053 77.764,4.053 77.868,4.157 77.868,4.299 78.079,4.51 U4A.1@78.554,4.51
SCLKRTNA_P: U4A.2 X2A.15 | length 34.9
  Top Layer w0.178: X2A.15@76.423,8.839 76.702,9.119 76.702,11.478 76.807,11.583 76.954,11.583 76.957,11.58 77.294,11.58 77.607,11.892 77.607,12.001 78.292,12.001 78.292,10.327 78.501,10.118 79.481,10.118 79.689,10.327 79.689,13.615 80.375,13.615 80.375,11.007 80.584,10.799 81.564,10.799 81.772,11.007 81.772,11.471 81.876,11.575 82.024,11.575 82.677,10.922 83.312,10.287 83.312,9.525 82.017,8.23 80.932,8.23 80.62,7.917 80.62,6.988 79.934,6.988 79.934,8.733 79.726,8.942 78.745,8.942 78.537,8.733 78.537,6.777 78.448,6.688 78.246,6.486 77.757,5.997 77.066,5.306 77.066,4.043 77.412,3.697 77.764,3.697 77.868,3.593 77.868,3.451 78.079,3.24 U4A.2@78.554,3.24
SCLKRTNB: U4B.7 U9.11 | length 56
  Top Layer w0.254: U9.11@34.55,-14.2 40.235,-14.2 50.038,-24.003 77.543,-24.003 83.547,-17.999 U4B.7@84.022,-17.999
SCLKRTNB_N: U4B.1 X2B.16 | length 34.9
  Top Layer w0.178: X2B.16@76.491,-6.558 76.77,-6.837 76.77,-9.197 76.874,-9.301 77.022,-9.301 77.169,-9.301 77.172,-9.304 77.215,-9.304 77.319,-9.2 77.319,-9.091 77.527,-8.883 78.508,-8.883 78.716,-9.091 78.716,-10.765 79.402,-10.765 79.402,-7.477 79.61,-7.269 80.59,-7.269 80.799,-7.477 80.799,-10.085 81.484,-10.085 81.484,-9.621 81.797,-9.308 82.239,-9.308 82.745,-9.814 83.735,-10.805 83.735,-11.862 82.232,-13.365 82.084,-13.365 81.147,-13.365 81.043,-13.469 81.043,-14.398 80.835,-14.606 79.854,-14.606 79.646,-14.398 79.646,-12.653 78.96,-12.653 78.96,-14.61 78.516,-15.054 77.489,-16.081 77.489,-17.049 77.627,-17.186 77.832,-17.186 77.936,-17.082 77.936,-16.94 78.147,-16.729 U4B.1@78.622,-16.729
SCLKRTNB_P: U4B.2 X2B.15 | length 35.2
  Top Layer w0.178: X2B.15@76.491,-12.4 76.77,-12.12 76.77,-9.761 76.874,-9.657 77.022,-9.657 77.024,-9.659 77.362,-9.659 77.674,-9.347 77.674,-9.238 78.36,-9.238 78.36,-10.913 78.569,-11.121 79.549,-11.121 79.757,-10.913 79.757,-7.625 80.443,-7.625 80.443,-10.232 80.651,-10.44 81.632,-10.44 81.84,-10.232 81.84,-9.768 81.944,-9.664 82.091,-9.664 82.745,-10.317 83.38,-10.952 83.38,-11.714 82.084,-13.01 81,-13.01 80.687,-13.322 80.687,-14.251 80.002,-14.251 80.002,-12.506 79.793,-12.298 78.813,-12.298 78.605,-12.506 78.605,-14.463 78.516,-14.551 78.314,-14.753 77.825,-15.242 77.134,-15.933 77.134,-17.196 77.48,-17.542 ; U4B.2@78.622,-17.999 78.147,-17.999 77.936,-17.788 77.936,-17.646 77.832,-17.542 ; 77.48,-17.542 77.832,-17.542 ; 77.48,-17.542 77.832,-17.542
SCLKRTNC_N: U4C.1 X2C.16 | length 34.9
  Top Layer w0.178: X2C.16@76.487,-27.996 76.767,-28.275 76.767,-30.635 76.871,-30.739 77.018,-30.739 77.165,-30.739 77.168,-30.742 77.211,-30.742 77.315,-30.637 77.315,-30.529 77.524,-30.321 78.504,-30.321 78.712,-30.529 78.712,-32.203 79.398,-32.203 79.398,-28.915 79.607,-28.707 80.587,-28.707 80.795,-28.915 80.795,-31.522 81.481,-31.522 81.481,-31.059 81.793,-30.746 82.235,-30.746 82.741,-31.252 83.732,-32.243 83.732,-33.299 82.228,-34.803 82.081,-34.803 81.144,-34.803 81.04,-34.907 81.04,-35.836 80.831,-36.044 79.851,-36.044 79.643,-35.836 79.643,-34.091 78.957,-34.091 78.957,-36.048 78.512,-36.492 77.486,-37.518 77.486,-38.487 77.623,-38.624 77.828,-38.624 77.932,-38.52 77.932,-38.378 78.143,-38.167 U4C.1@78.618,-38.167
SCLKRTNC_P: U4C.2 X2C.15 | length 35.2
  Top Layer w0.178: X2C.15@76.487,-33.838 76.767,-33.558 76.767,-31.199 76.871,-31.094 77.018,-31.094 77.021,-31.097 77.359,-31.097 77.671,-30.785 77.671,-30.676 78.357,-30.676 78.357,-32.35 78.565,-32.559 79.546,-32.559 79.754,-32.35 79.754,-29.062 80.44,-29.062 80.44,-31.67 80.648,-31.878 81.628,-31.878 81.837,-31.67 81.837,-31.206 81.941,-31.102 82.088,-31.102 82.741,-31.755 83.376,-32.39 83.376,-33.152 82.081,-34.447 80.996,-34.447 80.684,-34.76 80.684,-35.689 79.998,-35.689 79.998,-33.944 79.79,-33.735 78.81,-33.735 78.601,-33.944 78.601,-35.9 78.512,-35.989 78.31,-36.191 77.821,-36.68 77.13,-37.371 77.13,-38.634 77.476,-38.98 ; U4C.2@78.618,-39.437 78.143,-39.437 77.932,-39.226 77.932,-39.084 77.828,-38.98 ; 77.476,-38.98 77.828,-38.98 ; 77.476,-38.98 77.828,-38.98
SW: C6.1 L1.1 R27.2 U5.8
VCC: C3A.1 C3B.1 C3C.1 C4A.1 C4B.1 C4C.1 C5A.1 C5B.1 C5C.1 C7.1 C8.2 C10.1 C11.1 C16.1 C21.1 C22.1 C23.1 C24.1 C25.1 D1.1 L1.2 R1.2 R26.2 TP2.1 U1.15 U2A.4 U2A.16 U2B.4 U2B.16 U2C.4 U2C.16 U3A.4 U3A.16 U3B.4 U3B.16 U3C.4 U3C.16 U4A.8 U4B.8 U4C.8 U6.1 U6.3 U7.15 U8.15 U9.15 U10.15 | length 60.1
  Top Layer w0.127: U6.3@31.85,24.9 31.85,25.15 32.354,25.654 33.503,25.654
  Top Layer w0.254: R1.2@12.4,-19.1 12.413,-19.113 13.347,-19.113 v1(13.36,-19.126) ; U10.15@34.55,-19.875 34.648,-19.777 35.342,-19.777 35.519,-19.6 C25.1@36.5,-19.6 36.773,-19.327 37.442,-19.327 v1(37.465,-19.304) ; U9.15@34.55,-11.6 36.3,-11.6 C24.1@36.5,-11.4 36.724,-11.176 v1(37.465,-11.176) ; U8.15@34.55,-3.275 36.025,-3.275 36.3,-3 C23.1@36.5,-3 36.706,-2.794 v1(37.465,-2.794) ; U7.15@34.55,5.025 36.325,5.025 C22.1@36.5,5.2 36.761,5.461 v1(37.465,5.461) ; U1.15@34.55,13.325 36.325,13.325 C21.1@36.5,13.5 36.716,13.716 v1(37.465,13.716) ; v1(38.273,32.705) 38.339,32.771 38.339,33.001 38.739,33.401 R26.2@38.989,33.401 ; v1(50.495,7.827) 50.561,7.893 50.561,8.056 51.024,8.519 C3A.1@51.024,8.719 51.024,10.046 50.926,10.144 U3A.16@50.874,10.144 ; v1(50.559,-34.85) 50.626,-34.784 50.626,-34.621 51.089,-34.158 C3C.1@51.089,-33.958 51.089,-32.631 50.991,-32.533 U3C.16@50.939,-32.533 ; v1(50.563,-13.412) 50.629,-13.346 50.629,-13.183 51.092,-12.72 C3B.1@51.092,-12.52 51.092,-11.193 50.994,-11.095 U3B.16@50.942,-11.095 ; v1(52.832,35.306) 53.827,35.306 D1.1@53.856,35.277 ; v1(55.719,12.094) U3A.4@56.774,12.094 ; v1(55.783,-30.583) U3C.4@56.839,-30.583 ; v1(55.787,-9.145) U3B.4@56.842,-9.145 ; U2A.16@68.518,0.27 68.518,-1.067 C4A.1@68.553,-1.102 68.553,-1.302 68.979,-1.728 68.979,-1.857 v1(69.045,-1.924) ; U2C.16@68.582,-42.407 68.582,-43.744 C4C.1@68.617,-43.779 68.617,-43.979 69.044,-44.405 69.044,-44.534 v1(69.11,-44.601) ; U2B.16@68.586,-20.969 68.586,-22.306 C4B.1@68.621,-22.341 68.621,-22.541 69.047,-22.967 69.047,-23.097 v1(69.113,-23.163) ; v1(73.279,2.159) 73.31,2.19 74.387,2.19 U2A.4@74.418,2.22 ; v1(73.343,-40.518) 73.374,-40.487 74.452,-40.487 U2C.4@74.482,-40.457 ; v1(73.347,-19.08) 73.378,-19.05 74.455,-19.05 U2B.4@74.486,-19.019 ; v1(83.439,7.112) 83.505,7.046 83.505,6.854 83.954,6.405 C5A.1@83.954,6.205 U4A.8@83.954,4.51 ; v1(83.503,-35.565) 83.57,-35.631 83.57,-35.823 84.018,-36.272 C5C.1@84.018,-36.472 U4C.8@84.018,-38.167 ; v1(83.507,-14.127) 83.573,-14.193 83.573,-14.386 84.022,-14.834 C5B.1@84.022,-15.034 U4B.8@84.022,-16.729
  Bottom Layer w0.508: v1(32.385,39.116) 32.403,39.098 32.834,39.098 38.273,33.66 v1(38.273,32.705)
  other v1: 34.544,26.543 33.655,27.432 34.544,27.432 27.432,42.24 28.702,42.24 29.972,42.24 31.242,42.24 28.067,43.51 29.337,43.51 30.607,43.51
VIN: BS1.1 D2.1 TP1.1 X1.5 X1.6 X3.3 X3.4 X4.3 X4.4 X5.3 X5.4 | length 10.9
  Top Layer w0.254: v1(58.801,35.179) 59.754,35.179 D2.1@59.756,35.177
  Top Layer w0.533: X1.5@2.413,15.593 2.421,15.602 4.28,15.602 4.3,15.621 v1(4.318,15.621)
  Bottom Layer w0.254: 58.674,29.083 58.801,29.21 v1(58.801,35.179)
  Bottom Layer w0.533: X1.6@2.413,15.593 2.421,15.602 4.28,15.602 4.3,15.621 v1(4.318,15.621)
  other v1: 23.241,27.178 24.511,27.178 22.606,27.94 23.876,27.94 25.146,27.94
VIN_CVN: BS1.2 C9.2 C12.1 C13.1 R25.2 U5.2
pads on no net: U2A.15 U2B.15 U2C.15 U4A.3 U4A.4 U4A.6 U4B.3 U4B.4 U4B.6 U4C.3 U4C.4 U4C.6 U5.6 U6.4 X1.9 X1.10 X1.13 X1.14 X1.60 X1.61 X1.62 X1.65 X1.66 X1.67 X1.68 X1.71 X1.72 X1.73 X1.74 X1.77 X2A. X2B. X2C.

## Polygon pours and split planes (outlines as drawn)
1.8V on Top Layer "TOP_1.8" (solid, pour order 7): 33.274,23.114 33.02,22.86 33.02,-19.685 34.29,-19.685 34.29,22.86 34.036,23.114
GND on Top Layer "TOP_GND" (solid, pour order 9): 14.859,49.911 14.859,20.701 15.621,19.939 33.401,19.939 41.529,28.067 67.183,28.067 67.183,30.48 51.435,30.48 51.435,49.784
VCC on Top Layer "TOP_VCC" (solid, pour order 4): 31.877,38.481 32.639,37.719 32.639,37.338 32.766,37.211 34.29,37.211 34.671,37.592 34.671,44.45 31.75,47.371 26.035,47.371 24.384,45.72 24.384,41.148 27.051,38.481
SW on Top Layer "TOP_SW" (solid, pour order 3): 36.83,43.434 37.973,43.434 38.354,43.434 39.878,41.91 39.878,35.687 39.497,35.306 36.195,35.306 35.941,35.56 35.941,42.545
VIN on Top Layer "TOP_VIN" (solid, pour order 5): 22.352,30.226 21.971,29.845 21.971,23.495 22.479,22.987 25.654,22.987 26.289,23.622 26.289,29.083 25.146,30.226
VCC on Top Layer "TOP_VCC_1.8" (solid, pour order 6): 33.147,27.432 33.528,27.813 34.671,27.813 35.052,27.432 35.052,25.146 34.036,24.13 33.401,24.13 33.147,24.384
VIN_CVN on Top Layer "TOP_VIN_CVN" (solid, pour order 2): 19.685,36.449 19.685,32.766 20.701,31.75 26.797,31.75 26.797,33.02 27.686,33.909 32.385,33.909 32.639,34.163 32.639,34.925 32.385,35.179 23.241,35.179 21.971,36.449
VIN on Bottom Layer "BOT_VIN" (solid, pour order 8): 3.937,16.002 3.937,15.113 22.098,15.113 26.035,19.05 80.899,19.05 86.868,13.081 86.868,-32.893 90.297,-36.322 95.123,-36.322 97.917,-33.528 97.917,15.748 84.201,29.464 15.367,29.464 15.24,29.591 4.064,18.415 4.064,17.78
GND on GND "GND" (solid, pour order 0): 0.779,-18.225 5,-18.225 cw(c5,-19.225) 6,-19.225 6,-22.725 7.38,-22.725 ccw(c7.38,-22.325) 7.78,-22.325 7.78,-21.725 cw(c8.78,-21.725) 8.78,-20.725 14.84,-20.725 14.84,-50 100,-50 100,50 14.84,50 14.84,20.725 8.78,20.725 cw(c8.78,21.725) 7.78,21.725 7.78,22.325 ccw(c7.38,22.325) 7.38,22.725 6,22.725 6,19.225 cw(c5,19.225) 5,18.225 0,18.225 0,-0.4 5.2,-0.4 cw(c5.2,-1.6) 5.2,-2.8 0,-2.8 0,-18.225
VCC on VCC "VCC" (solid, pour order 1): 0.779,-18.225 5,-18.225 cw(c5,-19.225) 6,-19.225 6,-22.725 7.38,-22.725 ccw(c7.38,-22.325) 7.78,-22.325 7.78,-21.725 cw(c8.78,-21.725) 8.78,-20.725 14.84,-20.725 14.84,-50 100,-50 100,50 14.84,50 14.84,20.725 8.78,20.725 cw(c8.78,21.725) 7.78,21.725 7.78,22.325 ccw(c7.38,22.325) 7.38,22.725 6,22.725 6,19.225 cw(c5,19.225) 5,18.225 0,18.225 0,-0.4 5.2,-0.4 cw(c5.2,-1.6) 5.2,-2.8 0,-2.8 0,-18.225

## Other copper
VCC:
  pour cut-out: 37.846,33.147 38.735,33.147 38.735,32.258 37.846,32.258

## Silkscreen, mask and mechanical layers (free items; w line width, h text height)
Top Overlay:
  lines w0.508: 52.07,26.67 68.834,26.67 68.834,38.1 52.07,38.1 52.07,37.846 52.07,26.67
  lines w1.27: 57.785,27.051 57.785,37.719 ; 63.119,27.051 63.119,37.719
  text "VCC" at 52.324,26.952 h2.54
  text "1.8V" at 64.008,26.955 h2.54
  text "VIN" at 58.674,26.924 h2.54
  text "GPIO1" at 15.723,-36.728 h1.27
  text "ADCLK" at 27.965,-36.728 h1.27
  text "GPIO2" at 15.723,-39.268 h1.27
  text "I2C SCL" at 27.965,-39.268 h1.27
  text "Fault" at 15.723,-41.935 h1.27
  text "I2C SDA" at 27.965,-41.935 h1.27
Board Outline:
  lines w0.127: 0,-18.225 0,-2.8 0.779,-2.8 5.2,-2.8 ccw(c5.2,-1.6) 5.2,-0.4 0.779,-0.4 0,-0.4 0,18.225 0.779,18.225 5,18.225 ccw(c5,19.225) 6,19.225 6,22.725 7.38,22.725 cw(c7.38,22.325) 7.78,22.325 7.78,21.725 ccw(c8.78,21.725) 8.78,20.725 14.84,20.725 14.84,50 100,50 100,-50 14.84,-50 14.84,-20.725 8.78,-20.725 ccw(c8.78,-21.725) 7.78,-21.725 7.78,-22.325 cw(c7.38,-22.325) 7.38,-22.725 6,-22.725 6,-19.225 ccw(c5,-19.225) 5,-18.225 0.779,-18.225 0,-18.225

## Dimensions
100,50 to 100,-50 on Dimensions
0,18.225 to 100,50 on Dimensions

## Text inside footprints (layer, text, board x,y; h text height)
C8: Top Overlay "+" at 27.9,43.3 h1
C9: Top Overlay "+" at 20.5,33.2 h1 r270
D1: Top Overlay "+" at 53.116,37.527 h1.52 r270
D2: Top Overlay "+" at 59.016,37.427 h1.52 r270
D3: Top Overlay "+" at 64.816,37.427 h1.52 r270
P1: Top Overlay "6" at 25.552,-42.748 h1.27 r270; Top Overlay "5" at 23.012,-42.748 h1.27 r270; Top Overlay "2" at 25.552,-33.604 h1.27 r270; Top Overlay "1" at 23.012,-34.112 h1.27 r270